# KiCad board Kimiro.kicad_pcb
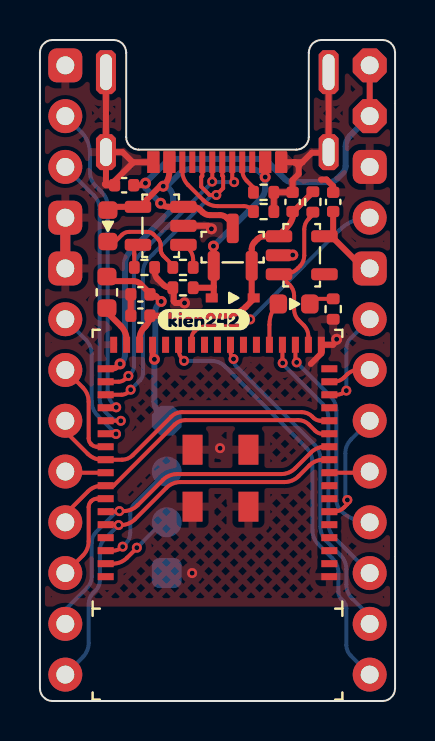
[diagram p0: board, top side]
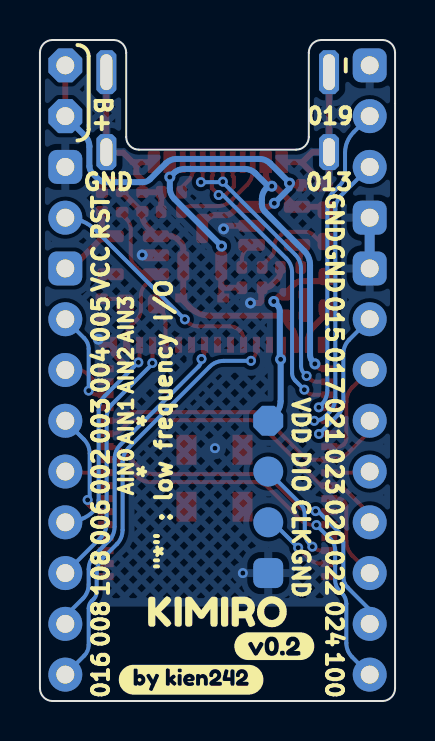
[diagram p1: board, bottom side, seen from below]

Outline 17.78 x 33.07 mm; copper layers: Top, Bottom. Coordinates in mm from the lower left corner of the outline.
Outline path: 0,32.44 arc(0.19,32.88) 0.63,33.07 3.68,33.07 arc(4.13,32.88) 4.32,32.44 4.32,28.22 arc(4.5,27.77) 4.95,27.58 12.83,27.58 arc(13.28,27.77) 13.46,28.22 13.46,32.44 arc(13.65,32.88) 14.1,33.07 17.14,33.07 arc(17.59,32.88) 17.78,32.44 17.78,0.64 arc(17.59,0.19) 17.14,0 0.63,0 arc(0.19,0.19) 0,0.64 0,32.44
Stack: Top 0.035mm / dielectric 1.51mm FR4 er 4.5 / Bottom 0.035mm

## Placement (name value [footprint] x y rotation side)
C1  10nF  [C_0402_1005Metric]  4.22 25.81 180 top
C5  10uF  [C_0402_1005Metric]  12.65 24.97 270 top
C6  4.7uF  [C_0402_1005Metric]  14.68 24.97 270 top
C7  10uF  [C_0402_1005Metric]  5.03 20.35 180 top
C8  0.1uF  [C_0402_1005Metric]  5.03 19.28 180 top
D1  1N5819  [D_SOD-323]  9.65 20.17 180 top
D2  BLUE  [LED_0603_1608Metric]  12.73 19.86 180 top
D3  BLUE  [LED_0603_1608Metric]  3.4 23.77 90 top
J1  Conn_01x04  [Conn_1x04_P2.54mm]  6.35 10.21 90 bottom
J2  USB_C_Left  [USB-C-Low]  8.88 27.46 0 top
J3  Left  [Conn_1x13_P2.54mm#2]  1.27 31.8 0 top
J4  Right  [Conn_1x13_P2.54mm]  16.51 31.8 0 top
kibuzzard-62E2A6C4  G***  [kibuzzard-62E2A6C4]  8.89 4.47 180 bottom
kibuzzard-62E24B57  G***  [kibuzzard-62E24B57]  8.2 19.08 0 top
kibuzzard-62E126A5  G***  [kibuzzard-62E126A5]  6.05 2.74 180 bottom
kibuzzard-62E129EE  G***  [kibuzzard-62E129EE]  10.21 1.07 180 bottom
L1  10uH  [L_0603_1608Metric]  3.35 20.45 90 top
Q1  AO3407  [SOT-23]  9.65 22.71 90 top
R1  5.1K  [R_0402_1005Metric]  11.2 25.45 0 top
R2  5.1K  [R_0402_1005Metric]  11.2 24.49 180 top
R3  R  [R_0402_1005Metric]  7.16 20.68 180 top
R4  1K  [R_0402_1005Metric]  7.16 21.69 0 top
R5  RPROG  [R_0402_1005Metric]  5.23 21.69 0 top
R10  10K  [R_0402_1005Metric]  13.67 24.97 270 top
R11  1K  [R_0402_1005Metric]  14.68 19.61 90 top
U1  TP4054  [SOT-23-5]  6.05 23.77 180 top
U3  MS88FS3  [MS88SF3-nRF52840]  8.89 9.32 180 top
U4  XC6220B331MR  [SOT-23-5]  13.11 22.3 0 top

## Library data of the parts
C5 = -: JLC Part: C19702; LCSC Part: C19702; Manufacturer Part: CL10A106KP8NNNC
C6 = -: Digikey: 1276-1784-1-ND; JLC Part: C23733; LCSC Part: C368809; Manufacturer Part: CL05A475KP5NRNC
D2 D3 = -: LCSC: C375446; LCSC Part Number: C375446
R10 = -: JLC Part: C25744; LCSC Part: C60490; Manufacturer Part: RC0402FR-0710KL
R11 = -: LCSC: C21190; LCSC Part Number: C21190
U4 = -: Digikey: 893-1133-1-ND‎; JLC Part: C86534; LCSC Part: C86534; Manufacturer Part: XC6220B331MR-G‎

## Footprints (pads in the part's own frame, mm; a bottom-side part is the same pattern mirrored in y, then rotated)
C_0402_1005Metric
  rrect 0.56x0.62 smd: 1(-0.48,0) 2(0.48,0)
Conn_1x04_P2.54mm
  rrect 1.5x1.5 smd: 1(-3.81,0)
  round 1.5 smd: 2(-1.27,0) 3(1.27,0)
  custom 1.5x1.5 smd: 4(3.81,0)
Conn_1x13_P2.54mm
  custom 1.7x1.7 hole 0.9: 1(0,0) 2(0,-2.54)
  rrect 1.7x1.7 hole 0.9: 3(0,-5.08) 5(0,-10.16)
  oval 1.7x1.7 hole 0.9: 4(0,-7.62) 6(0,-12.7) 7(0,-15.24) 8(0,-17.78) 9(0,-20.32) 10(0,-22.86) 11(0,-25.4) 12(0,-27.94) 13(0,-30.48)
Conn_1x13_P2.54mm#2
  rrect 1.7x1.7 hole 0.9: 1(0,0) 4(0,-7.62) 5(0,-10.16)
  oval 1.7x1.7 hole 0.9: 2(0,-2.54) 3(0,-5.08) 6(0,-12.7) 7(0,-15.24) 8(0,-17.78) 9(0,-20.32) 10(0,-22.86) 11(0,-25.4) 12(0,-27.94) 13(0,-30.48)
D_SOD-323
  rect 0.6x0.45 smd: 1(-1.05,0) 2(1.05,0)
L_0603_1608Metric
  rrect 0.875x0.95 smd: 1(-0.787,0) 2(0.787,0)
LED_0603_1608Metric
  rrect 0.875x0.95 smd: 1(-0.787,0) 2(0.787,0)
MS88SF3-nRF52840
  rect 0.8x0.35 smd: 1(-5.6,3.1) 2(-5.6,2.45) 3(-5.6,1.8) 4(-5.6,1.15) 5(-5.6,0.5) 6(-5.6,-0.15) 7(-5.6,-0.8) 8(-5.6,-1.45) 9(-5.6,-2.1) 10(-5.6,-2.75) 11(-5.6,-3.4) 12(-5.6,-4.05) 13(-5.6,-4.7) 14(-5.6,-5.35) 15(-5.6,-6) 16(-5.6,-6.65) 17(-5.6,-7.3) 35(5.6,-7.3) 36(5.6,-6.65) 37(5.6,-6) 38(5.6,-5.35) 39(5.6,-4.7) 40(5.6,-4.05) 41(5.6,-3.4) 42(5.6,-2.75) 43(5.6,-2.1) 44(5.6,-1.45) 45(5.6,-0.8) 46(5.6,-0.15) 47(5.6,0.5) 48(5.6,1.15) 49(5.6,1.8) 50(5.6,2.45) 51(5.6,3.1)
  rect 0.35x0.8 smd: 18(-5.2,-8.5) 19(-4.55,-8.5) 20(-3.9,-8.5) 21(-3.25,-8.5) 22(-2.6,-8.5) 23(-1.95,-8.5) 24(-1.3,-8.5) 25(-0.65,-8.5) 26(0,-8.5) 27(0.65,-8.5) 28(1.3,-8.5) 29(1.95,-8.5) 30(2.6,-8.5) 31(3.25,-8.5) 32(3.9,-8.5) 33(4.55,-8.5) 34(5.2,-8.5)
  rect 1x1.5 smd: 61(-1.55,-0.4) 61(-1.55,-3.25) 61(1.25,-0.4) 61(1.25,-3.25)
R_0402_1005Metric
  rrect 0.54x0.64 smd: 1(-0.51,0) 2(0.51,0)
SOT-23
  rrect 1.475x0.6 smd: 1(-0.938,0.95) 2(-0.938,-0.95) 3(0.938,0)
SOT-23-5
  rrect 1.325x0.6 smd: 1(-1.137,0.95) 2(-1.137,0) 3(-1.137,-0.95) 4(1.137,-0.95) 5(1.137,0.95)
USB-C-Low
  custom 0.6x1.079 smd: A1(3.2,-0.508) B12(3.2,-0.508)
  rect 0.6x1.079 smd: A4(2.4,-0.508) A9(-2.4,-0.508) A12(-3.2,-0.508) B1(-3.2,-0.508) B4(-2.4,-0.508) B9(2.4,-0.508)
  rect 0.3x1.079 smd: A5(1.25,-0.508) A6(0.25,-0.508) A7(-0.25,-0.508) A8(-1.25,-0.508) B5(-1.75,-0.508) B6(-0.75,-0.508) B7(0.75,-0.508) B8(1.75,-0.508)
  custom 1x2.2 hole 0.6x1.8: S1(-5.575,3.996) S1(5.575,3.996)
  custom 1x1.8 hole 0.6x1.4: S1(-5.575,-0.004) S1(5.575,-0.004)

## Nets
GND: C1.2 C5.1 C6.1 C7.2 C8.2 J1.1 J2.A1 J2.A12 J2.B1 J2.B12 J2.S1 J3.1 J3.4 J3.5 J4.3 R1.2 R2.1 R3.2 R5.2 R11.1 U1.2 U3.1 U3.18 U3.34 U3.61 U4.2
VBAT: C1.1 J4.1 J4.2 Q1.3 U1.3
VBUS: D1.2 D3.2 J2.A4 J2.A9 J2.B4 J2.B9 Q1.1 R3.1 U1.4 U3.35
VCC: C6.2 J4.5 U4.5
VDD: C7.1 J1.4 L1.2 U3.31
VDDH: C5.2 C8.1 D1.1 Q1.2 R10.1 U3.32 U4.1
002: J4.9 U3.9
003: J4.8 U3.6
004: J4.7 U3.16
005: J4.6 U3.15
006: J4.10 U3.20
008: J4.12 U3.25
013: J3.3 U3.39
015: J3.6 U3.40
016: J4.13 U3.29
017: J3.7 U3.41
019: J3.2 U3.38
020: J3.10 U3.12 U3.44
021: J3.8 U3.13 U3.42
022: J3.11 U3.45
023: J3.9 U3.43
024: J3.12 U3.11 U3.46
100: J3.13 U3.10 U3.47
108: J4.11 U3.21
D+: J2.A6 J2.B6 U3.37
D-: J2.A7 J2.B7 U3.36
DCCH: L1.1 U3.33
LED: D2.2 U3.22
POWER_PIN: R10.2 U3.19 U4.3
RST: J4.4 U3.28
SWCLK: J1.2 U3.50
SWDIO: J1.3 U3.49
Net-(D2-Pad1): D2.1 R11.2
Net-(D3-Pad1): D3.1 R4.1
Net-(J2-PadA5): J2.A5 R1.1
Net-(J2-PadB5): J2.B5 R2.2
Net-(R4-Pad2): R4.2 U1.1
Net-(R5-Pad1): R5.1 U1.5

Pads without a net: J2 A8 B8; U3 2 3 4 5 7 8 14 17 23 24 26 27 30 48 51; U4 4

## Via types
v1: diameter 0.55, hole 0.25, Top to Bottom, 12 vias
v2: diameter 0.5, hole 0.25, Top to Bottom, 21 vias

## Routing (per net, layer and track width the routed paths; a pad name or vN(x,y) marks a point on that pad's centre or on a via; arc(x,y) is an arc through that point)
GND: length 35
  Top w0.3: 14.07,26.09 14.35,26.09 14.68,25.76 C6.1 ; J2.S1 J2.S1 14.43,27.43 13.61,27.43 13.14,26.96 ; R2.1 R1.2 12.65,25.45 C5.1 12.65,26.06 12.95,26.37 12.95,26.77 ; v1(8.59,23.62) 8.43,23.77 U1.2 ; R5.2 5.74,21.46 arc(5.78,21.27) 5.89,21.11 6.18,20.82 arc(6.34,20.71) 6.53,20.68 R3.2 6.7,20.63 6.7,20 6.78,19.91 v1(7.24,19.91) ; 12.95,26.77 13.14,26.96 ; 12.95,26.77 12.77,26.96 12.72,26.96 ; 11.92,22.3 12.65,22.3 v1(12.66,22.31) ; 4.64,26.96 4.14,27.46 J2.S1 ; 4.64,26.96 4.64,26.92 3.74,26.01 C1.2 ; 4.64,26.96 J2.A12 ; 12.72,26.96 13.14,26.96 ; 12.72,26.96 12.73,26.95 ; 12.72,26.96 J2.A1 ; 13.56,16.87 14.09,17.39 U3.18 14.67,17.82 14.86,18.01 v1(14.86,18.1) ; J2.S1 3.3,25.91 3.25,25.86 3.3,25.81 3.61,25.81 ; J2.S1 J2.S1 ; C8.2 C7.2
  Top w0.5: 1.27,21.67 1.27,24.21
  Bottom w0.5: J3.5 J3.4
  vias: v2(7.62,6.4) v2(9.02,12.65)
VBAT: length 22.8
  Top w0.3: v1(5.28,25.91) 5.18,25.81 4.85,25.81 ; J4.1 J4.2 ; Q1.3 9.65,23.88 9.37,24.16 arc(9.2,24.27) 9.01,24.31 8.5,24.31 arc(8.3,24.35) 8.14,24.46 8.02,24.58 arc(7.86,24.69) 7.67,24.72 U1.3 6.43,24.72 arc(6.24,24.76) 6.08,24.87 v1(6.04,24.9)
  Bottom w0.3: v1(6.04,24.9) 5.28,25.66 v1(5.28,25.91) 5.28,25.93 6.25,26.9 arc(6.5,27.06) 6.78,27.12 10.94,27.12 arc(11.23,27.06) 11.47,26.9 12.27,26.11 arc(12.43,26) 12.62,25.96 14.5,25.96 arc(14.69,26) 14.85,26.11 15.16,26.41 arc(15.27,26.57) 15.3,26.76 15.3,27.74 arc(15.36,28.03) 15.52,28.27 J4.2
VBUS: length 30
  Top w0.3: J2.A9 6.48,26.48 arc(6.4,26.09) 6.19,25.77 v1(6.17,25.76) 6.01,25.76 4.98,24.72 3.77,24.72 3.4,24.36 ; J2.A4 11.28,26.95 v1(11.28,26.21) ; 8.7,20.72 Q1.1 8.7,22.74 v1(8.69,22.76) ; 8.7,20.72 8.66,20.68 R3.1 ; 8.7,20.72 8.7,20.22 8.6,20.12 ; v1(4.01,16.87) 3.92,16.77 arc(3.75,16.66) 3.56,16.62 U3.35
  Bottom w0.3: 10.24,26.62 7.52,26.62 arc(7.24,26.56) 6.99,26.4 6.35,25.76 ; 10.24,26.62 10.56,26.62 arc(10.85,26.56) 11.09,26.4 v1(11.28,26.21) 11.28,25.66 arc(11.22,25.37) 11.06,25.13 v1(8.69,22.76) ; 10.24,26.62 10.26,26.62 ; v1(6.17,25.76) 6.35,25.76 ; 6.35,25.76 6.45,25.66 arc(6.61,25.41) 6.67,25.13 6.67,24.84 arc(6.63,24.65) 6.52,24.49 4.55,22.52 arc(4.33,22.19) 4.26,21.81 4.26,17.32 arc(4.22,17.12) 4.11,16.96 v1(4.01,16.87)
VCC: length 4.6
  Top w0.3: J4.5 16.21,21.64 14.59,23.25 14.19,23.25 14.49,23.25 14.68,23.44 C6.2
VDD: length 10.3
  Top w0.3: v1(5.73,17.09) 5.64,17.18 U3.31 ; v1(6.07,19.99) 6.07,19.99 5.81,20.24 arc(5.67,20.32) C7.1 5.51,20.39 5.04,20.86 arc(4.88,20.97) 4.69,21.01 3.58,21.01 L1.2
  Bottom w0.3: v1(6.07,19.99) 5.92,19.84 arc(5.81,19.68) 5.77,19.48 5.77,17.14 v1(5.73,17.09) 5.73,14.99 arc(5.8,14.67) 5.98,14.39 J1.4
VDDH: length 14.3
  Top w0.3: 11.92,23.25 12.37,23.71 arc(12.61,24.07) 12.7,24.5 13.66,25.45 13.77,25.45 ; U4.1 11.24,23.25 arc(11.05,23.21) 10.89,23.1 10.75,22.97 arc(10.64,22.8) 10.6,22.61 Q1.2 10.6,20.22 10.7,20.12 10.3,19.72 arc(9.82,19.39) 9.24,19.28 C8.1 arc(5.45,18.99) 5.29,18.75 5.21,18.67 arc(5.05,18.43) 4.99,18.14 U3.32
002: length 2
  Top w0.2: U3.9 16.45,11.42 J4.9
003: length 5.7
  Top w0.2: v2(15.39,10.06) 15.39,9.85 15.23,9.69 arc(14.99,9.53) 14.7,9.47 U3.6
  Bottom w0.2: J4.8 15.58,13.09 arc(15.37,12.77) 15.29,12.39 15.29,10.16 v2(15.39,10.06)
004: length 2.2
  Top w0.2: J4.7 15.91,16.56 arc(15.63,16.5) 15.38,16.34 15.23,16.19 arc(14.99,16.03) 14.7,15.97 U3.16
005: length 4.9
  Top w0.2: U3.15 14.84,15.32 arc(15.11,15.38) v2(15.34,15.53)
  Bottom w0.2: v2(15.34,15.53) 15.34,17.62 arc(15.4,17.91) 15.56,18.15 J4.6
006: length 10.8
  Top w0.2: v2(12.85,16.94) 12.79,17 U3.20
  Bottom w0.2: v2(12.85,16.94) 14.55,15.24 arc(14.77,14.92) 14.84,14.54 14.84,10.06 arc(14.9,9.77) 15.06,9.53 arc(15.71,9.09) 16.47,8.94 J4.10
008: length 16.6
  Top w0.2: v2(9.69,17.11) 9.69,17.11 arc(9.58,17.28) 9.54,17.47 U3.25
  Bottom w0.2: v2(9.69,17.11) 9.69,17.09 arc(9.73,16.9) 9.84,16.74 13.75,12.82 arc(13.97,12.5) 14.04,12.12 14.04,8.72 arc(14.12,8.33) 14.34,8.01 15.05,7.3 arc(15.27,6.97) 15.34,6.59 15.34,5.83 arc(15.42,5.45) 15.63,5.12 16.51,4.25 J4.12
013: length 14.7
  Top w0.2: U3.39 4.05,14.02 v2(4.05,14.02)
  Bottom w0.2: J3.3 2.7,25.29 arc(2.91,24.97) 2.99,24.59 2.99,15.16 arc(3.07,14.78) 3.28,14.45 3.48,14.25 arc(3.74,14.08) v2(4.05,14.02)
015: length 7.2
  Top w0.2: v2(3.81,13.36) 3.8,13.37 U3.40
  Bottom w0.2: v2(3.81,13.36) 2.88,14.29 arc(2.67,14.61) 2.59,14.99 2.59,17.37 arc(2.51,17.75) 2.3,18.07 J3.6
016: length 21.2
  Top w0.2: U3.29 6.94,17.6 arc(7,17.32) 7.16,17.07 v2(7.21,17.02)
  Bottom w0.2: v2(7.21,17.02) 7.22,17.02 8.57,17.02 arc(8.96,16.94) 9.28,16.73 13.35,12.66 arc(13.57,12.33) 13.64,11.95 13.64,8.55 arc(13.72,8.17) 13.94,7.84 14.65,7.13 arc(14.87,6.81) 14.94,6.42 14.94,5.46 arc(14.98,5.26) 15.09,5.1 15.19,5 arc(15.3,4.83) 15.34,4.64 15.34,2.8 arc(15.4,2.51) 15.56,2.27 J4.13
017: length 4.9
  Top w0.2: U3.41 2.86,12.72 arc(2.7,12.75) 2.57,12.84 2.56,12.86 arc(2.47,12.99) 2.44,13.14 2.44,14.98 arc(2.36,15.36) 2.15,15.69 J3.7
019: length 16
  Top w0.2: U3.38 3.31,14.69 v2(3.82,14.69)
  Bottom w0.2: J3.2 2.08,28.46 arc(2.39,27.98) 2.5,27.42 2.5,26.47 arc(2.58,26.08) 2.8,25.76 3.1,25.46 arc(3.31,25.13) 3.39,24.75 3.39,15.54 arc(3.47,15.15) 3.68,14.83 v2(3.82,14.69)
020: length 15.7
  Top w0.2: U3.12 14.13,13.37 arc(13.94,13.41) 13.78,13.52 13.47,13.83 arc(13.22,14) 12.93,14.05 7.28,14.05 arc(6.99,14) 6.75,13.83 3.69,10.77 3.1,10.77 arc(2.72,10.7) 2.4,10.48 1.27,9.35 J3.10
021: length 15.3
  Top w0.2: J3.8 1.27,13.49 2.4,12.36 arc(2.72,12.15) 3.1,12.07 U3.42 4.11,12.07 arc(4.4,12.13) 4.64,12.29 6.58,14.23 arc(6.82,14.4) 7.11,14.45 13.1,14.45 arc(13.39,14.4) 13.63,14.23 13.7,14.17 arc(13.86,14.06) 14.05,14.02 U3.13
022: length 4.8
  Top w0.2: U3.45 2.86,10.12 arc(2.7,10.09) 2.57,10 2.56,9.99 arc(2.47,9.86) 2.44,9.7 2.44,7.98 arc(2.36,7.6) 2.15,7.28 J3.11
023: length 2
  Top w0.2: J3.9 1.33,11.42 U3.43
024: length 19.1
  Top w0.2: U3.46 3.95,9.47 v2(3.98,9.5) 4.18,9.5 arc(4.57,9.58) 4.89,9.79 6.16,11.06 arc(6.48,11.28) 6.87,11.35 12.08,11.35 arc(12.46,11.43) 12.78,11.65 13.57,12.43 arc(13.89,12.65) 14.27,12.72 U3.11
  Bottom w0.2: J3.12 1.27,4.57 2.37,5.67 arc(2.53,5.92) 2.59,6.2 2.59,7.92 arc(2.65,8.21) 2.81,8.45 3.86,9.5 v2(3.98,9.5)
100: length 20.8
  Top w0.2: U3.10 14.19,12.07 arc(13.81,12) 13.48,11.78 12.95,11.25 arc(12.62,11.03) 12.24,10.95 7.03,10.95 arc(6.65,10.88) 6.32,10.66 4.76,9.1 arc(4.43,8.88) 4.05,8.8 v2(3.94,8.8) 3.92,8.82 U3.47
  Bottom w0.2: J3.13 2.15,2.2 arc(2.36,2.52) 2.44,2.91 2.44,4.87 arc(2.5,5.15) 2.66,5.4 2.78,5.52 arc(2.94,5.76) 3,6.05 3,7.56 arc(3.06,7.84) 3.22,8.09 v2(3.94,8.8)
108: length 13.1
  Top w0.2: U3.21 12.14,16.92 v2(12.15,16.91)
  Bottom w0.2: J4.11 14.74,8.18 arc(14.52,8.5) 14.44,8.88 14.44,14.16 arc(14.37,14.54) 14.15,14.87 12.15,16.86 v2(12.15,16.91)
D+: length 16.7
  Top w0.2: J2.B6 8.13,26.27 8.07,26.21 8.07,25.73 8.49,25.32 v2(8.83,25.32) 9.17,25.66 9.17,26.24 9.13,26.28 9.13,26.79 ; U3.37 4.08,15.32 arc(4.27,15.36) 4.44,15.47 v2(4.54,15.57)
  Bottom w0.2: v2(8.83,25.32) 8.62,25.32 5.45,22.14 arc(5.23,21.82) 5.16,21.44 5.16,16.4 arc(5.12,16.2) 5.01,16.04 v2(4.54,15.57)
D-: length 15.7
  Top w0.2: U3.36 3.93,15.97 arc(4.12,16.01) 4.28,16.12 v2(4.43,16.27) ; 9.63,26.79 9.64,26.78 arc(9.64,26.77) 9.65,26.76 ; J2.B7 9.63,26.05 v2(9.72,25.96) 9.65,26.04 ; v2(8.62,25.98) 8.63,25.99 8.63,26.79
  Bottom w0.2: v2(4.43,16.27) 4.56,16.4 arc(4.67,16.56) 4.71,16.75 4.71,21.62 arc(4.78,22.01) 5,22.33 8.62,25.96 ; 8.65,25.96 v2(9.72,25.96)
DCCH: length 2.2
  Top w0.3: L1.1 3.35,19.46 4.06,18.75 arc(4.27,18.44) 4.34,18.07 U3.33
LED: length 2.3
  Top w0.2: U3.22 11.49,18.82 arc(11.61,19.44) 11.96,19.96
POWER_PIN: length 8.2
  Top w0.2: 13.77,24.49 13.77,24.44 13.45,24.12 arc(13.29,23.88) 13.23,23.59 13.23,22.28 arc(13.18,21.99) 13.01,21.75 12.91,21.64 arc(12.58,21.43) 12.2,21.35 U4.3 12.51,20.81 arc(12.67,20.57) 12.73,20.28 12.73,19.59 arc(12.78,19.3) 12.95,19.06 13.22,18.78 arc(13.38,18.54) 13.44,18.25 U3.19
RST: length 11.7
  Top w0.2: U3.28 7.59,18.14 arc(7.63,18.33) 7.74,18.49 7.77,18.53 arc(8.01,18.69) 8.3,18.75 9.87,18.75 arc(10.15,18.8) 10.4,18.96 v2(10.52,19.09)
  Bottom w0.2: v2(10.52,19.09) 14.98,23.55 arc(15.68,24.02) J4.4
SWCLK: length 3.9
  Top w0.2: v2(4.85,7.67) 4.85,7.66 4.36,7.16 arc(4.04,6.95) 3.65,6.87 U3.50
  Bottom w0.2: J1.2 6.12,8.94 v2(4.85,7.67)
SWDIO: length 5.5
  Top w0.2: U3.49 3.66,7.52 arc(3.92,7.57) v2(4.14,7.72)
  Bottom w0.2: J1.3 4.74,9.87 arc(4.58,9.63) 4.52,9.34 4.52,8.41 arc(4.46,8.13) 4.3,7.88 v2(4.14,7.72)
Net-(D2-Pad1): length 1.2
  Top w0.2: 13.54,19.96 13.69,20.12 R11.2
Net-(D3-Pad1): length 4.7
  Top w0.2: 3.4,22.78 D3.1 3.77,22.99 4.11,23.32 arc(4.27,23.43) 4.46,23.47 5.35,23.47 5.42,23.47 5.55,23.43 5.66,23.37 5.71,23.32 5.9,23.13 5.94,23.08 6.01,22.97 6.04,22.84 6.05,22.78 6.05,22.61 6.05,22.54 6.08,22.42 6.15,22.3 6.19,22.26 6.65,21.8 R4.1
Net-(J2-PadA5): length 1.8
  Top w0.2: 10.77,25.45 10.67,25.45 10.67,25.71 10.35,26.03 arc(10.19,26.27) 10.13,26.56 J2.A5
Net-(J2-PadB5): length 5
  Top w0.2: J2.B5 7.13,26.52 arc(7.21,26.14) 7.42,25.81 8.18,25.05 arc(8.51,24.84) 8.89,24.76 10.21,24.76 arc(10.4,24.72) 10.56,24.61 R2.2
Net-(R4-Pad2): length 1.1
  Top w0.2: 7.67,21.74 7.67,22.07 arc(7.61,22.38) 7.44,22.64 7.44,22.82
Net-(R5-Pad1): length 1.3
  Top w0.2: 4.72,22.3 4.72,22.64 U1.5 ; 4.72,22.3 4.72,22.39 ; 4.72,22.3 R5.1

## Copper pours and planes (outline as drawn; the poured copper is in the pictures)
GND on Top: 11.78,27.37 11.9,27.5 12.26,27.5 12.79,26.96 12.26,26.42 11.9,26.42 11.78,26.54
GND on Top: 11.78,27.37 11.9,27.5 12.26,27.5 12.79,26.96 12.26,26.42 11.9,26.42 11.78,26.54
GND on Top, Bottom: 17.86,4.72 -0.05,4.72 -0.05,33.1 17.86,33.1

## Text on the board
B.Silkscreen: AIN3 | AIN2 | AIN1 | AIN0 | 019 | 013 | GND | - | 015 | 017 | 021 | 023 | 020 | 022 | 024 | 100 | VDD | DIO | CLK | * | B+ | {dblquote}*{dblquote} : low frequency I/O | RST | VCC | 005 | 004 | 003 | 002 | 006 | 108 | 008 | 016
